# Altium PCB 10515.0500_Display_System（6拼版）_V1.0_20200907.PcbDoc (part 8 of 13) (continued)
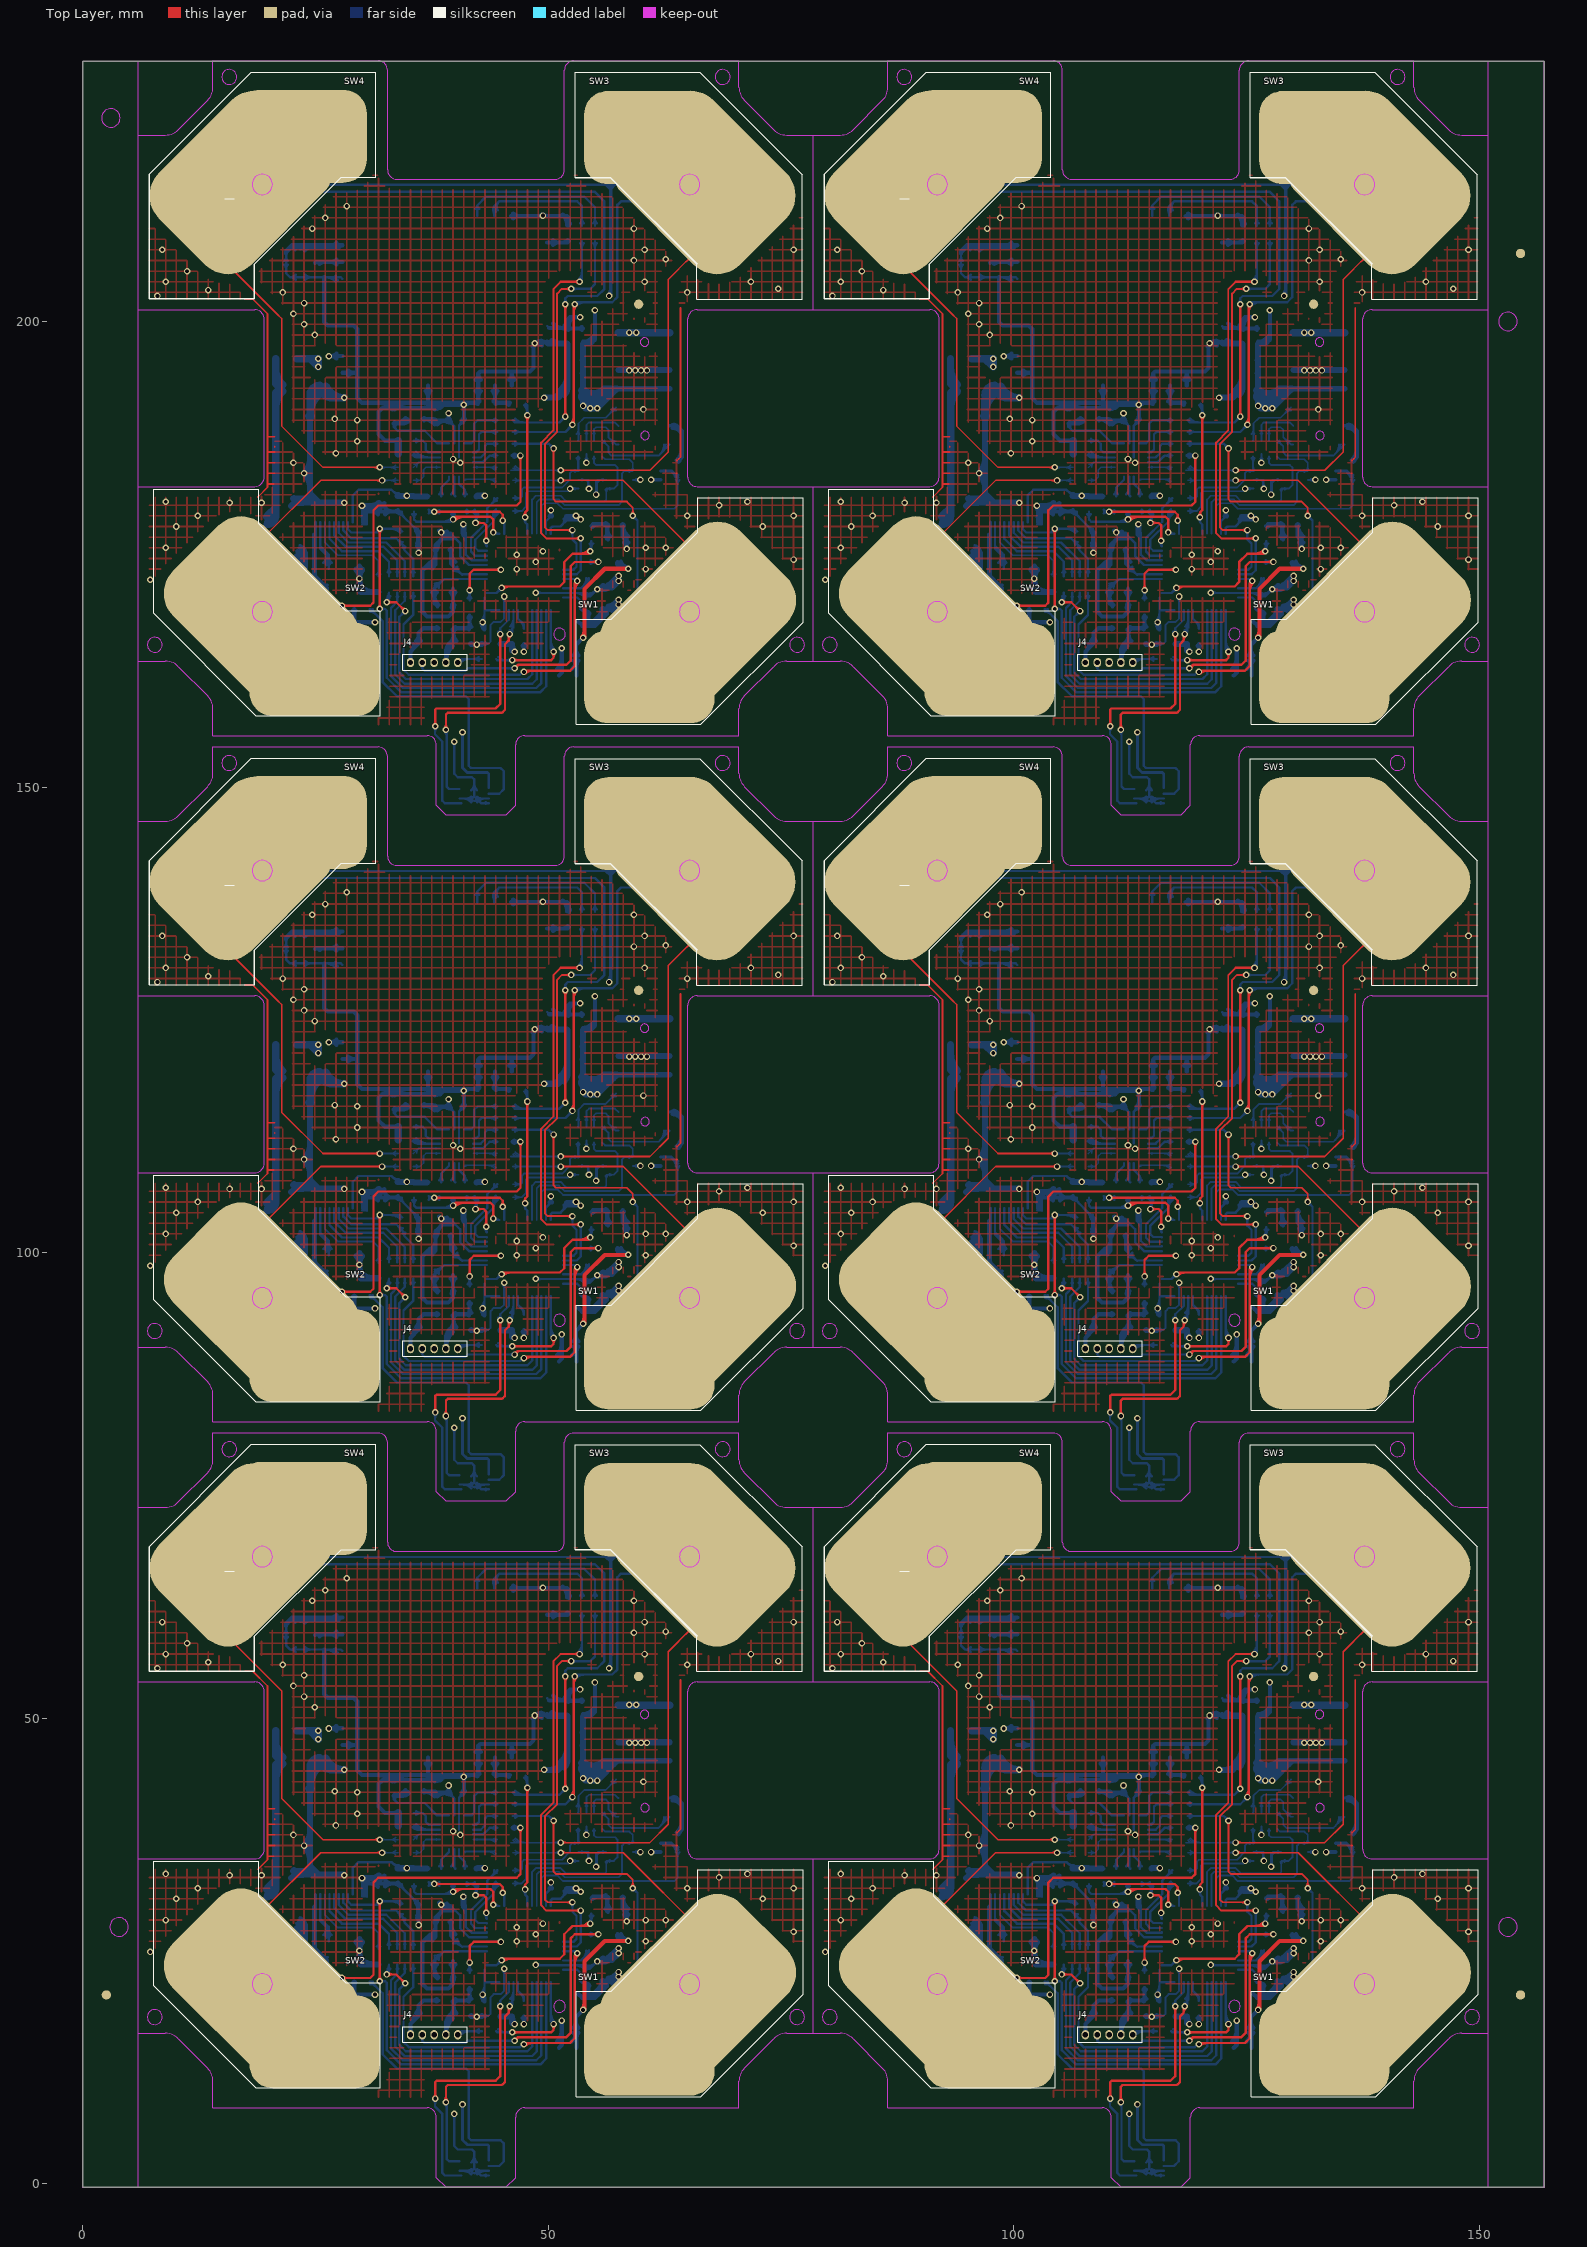
[diagram p0: Top Layer view]
## Nets (pads, with @x,y where several pads share a name; then routed paths per layer and width w, separated by ;. In a path a pad name is that pad's centre, name@x,y a point inside that pad or via, vN(x,y) a via of type N, cw(c..) or ccw(c..) an arc to the next point about the centre after c; other vN are vias at no path point) (continued)
ccw(c116.89,26.517) v1@117.274,26.133 ; 117.274,95.323 115.67,95.323 ; v1@117.274,99.514 ccw(c116.89,99.13) 116.89,99.673 ccw(c116.89,100.217) v1@117.274,99.833 ; 117.274,169.023 115.67,169.023 ; v1@117.274,173.214 ccw(c116.89,172.83) 116.89,173.373 ccw(c116.89,173.917) v1@117.274,173.533 ; v1(117.367,19.05) 117.367,19.686 118.274,20.593 118.274,21.623 ; v1(117.367,92.75) 117.367,93.386 118.274,94.293 118.274,95.323 ; v1(117.367,166.45) 117.367,167.086 118.274,167.993 118.274,169.023 ; v1@117.615,22.93 cw(c117.23,22.545) 117.774,22.545 cw(c118.317,22.545) v1@117.933,22.93 ; v1@117.615,96.63 cw(c117.23,96.245) 117.774,96.245 cw(c118.317,96.245) v1@117.933,96.63 ; v1@117.615,170.33 cw(c117.23,169.945) 117.774,169.945 cw(c118.317,169.945) v1@117.933,170.33 ; v1(117.621,31.242) 117.774,31.09 117.774,29.823 ; v1(117.621,104.942) 117.774,104.79 117.774,103.523 ; v1(117.621,178.642) 117.774,178.49 117.774,177.223 ; 117.774,21.623 v1(117.774,23.089) ; 117.774,95.323 v1(117.774,96.789) ; 117.774,169.023 v1(117.774,170.489) ; v1@118.256,19.05 118.637,19.431 ; v1@118.256,92.75 118.637,93.131 ; v1@118.256,166.45 118.637,166.831 ; v1@118.332,19.126 ccw(c118.13,19.329) 118.386,19.457 ; v1@118.332,92.826 ccw(c118.13,93.029) 118.386,93.157 ; v1@118.332,166.526 ccw(c118.13,166.729) 118.386,166.857 ; v1@118.344,19.272 ccw(c118.282,19.621) 118.637,19.621 ; v1@118.344,92.972 ccw(c118.282,93.321) 118.637,93.321 ; v1@118.344,166.672 ccw(c118.282,167.021) 118.637,167.021 ; 118.37,43.892 118.447,43.815 ; 118.37,117.592 118.447,117.515 ; 118.37,191.292 118.447,191.215 ; v1@118.388,19.025 ccw(c118.335,19.323) 118.637,19.323 ; v1@118.388,92.725 ccw(c118.335,93.023) 118.637,93.023 ; v1@118.388,166.425 ccw(c118.335,166.723) 118.637,166.723 ; v1@118.417,19.211 cw(c118.637,18.991) 118.637,19.302 ; v1@118.417,92.911 cw(c118.637,92.691) 118.637,93.002 ; v1@118.417,166.611 cw(c118.637,166.391) 118.637,166.702 ; 118.438,19.859 ccw(c117.629,20.668) 118.774,20.668 ; 118.438,93.559 ccw(c117.629,94.368) 118.774,94.368 ; 118.438,167.259 ccw(c117.629,168.068) 118.774,168.068 ; v1@118.478,16.097 ccw(c118.094,15.713) 118.094,16.256 ccw(c118.094,16.799) v1@118.478,16.415 ; v1@118.478,89.797 ccw(c118.094,89.413) 118.094,89.956 ccw(c118.094,90.499) v1@118.478,90.115 ; v1@118.478,163.497 ccw(c118.094,163.113) 118.094,163.656 ccw(c118.094,164.199) v1@118.478,163.815 ; v1@118.587,19.145 cw(c118.816,19.252) 118.637,19.431 ; v1@118.587,92.845 cw(c118.816,92.952) 118.637,93.131 ; v1@118.587,166.545 cw(c118.816,166.652) 118.637,166.831 ; 118.615,19.682 ccw(c118.232,20.065) 118.774,20.065 ; 118.615,93.382 ccw(c118.232,93.765) 118.774,93.765 ; 118.615,167.082 ccw(c118.232,167.465) 118.774,167.465 ; 118.701,39.497 122.574,39.497 v1(123.082,38.989) ; 118.701,40.767 124.352,40.767 v1(125.114,41.529) ; 118.701,42.014 118.932,41.783 123.717,41.783 v1(124.352,42.418) ; 118.701,113.197 122.574,113.197 v1(123.082,112.689) ; 118.701,114.467 124.352,114.467 v1(125.114,115.229) ; 118.701,115.714 118.932,115.483 123.717,115.483 v1(124.352,116.118) ; 118.701,186.897 122.574,186.897 v1(123.082,186.389) ; 118.701,188.167 124.352,188.167 v1(125.114,188.929) ; 118.701,189.414 118.932,189.183 123.717,189.183 v1(124.352,189.818) ; v1@118.732,15.208 ccw(c118.348,14.824) 118.348,15.367 ccw(c118.348,15.91) v1@118.732,15.526 ; v1@118.732,88.908 ccw(c118.348,88.524) 118.348,89.067 ccw(c118.348,89.61) v1@118.732,89.226 ; v1@118.732,162.608 ccw(c118.348,162.224) 118.348,162.767 ccw(c118.348,163.31) v1@118.732,162.926 ; 118.761,42.036 ccw(c119.372,42.647) 119.372,41.783 ; 118.761,115.736 ccw(c119.372,116.347) 119.372,115.483 ; 118.761,189.436 ccw(c119.372,190.047) 119.372,189.183 ; 118.774,21.623 118.774,19.758 118.637,19.621 ; 118.774,95.323 118.774,93.458 118.637,93.321 ; 118.774,169.023 118.774,167.158 118.637,167.021 ; v1(118.891,15.367) 113.869,15.367 113.626,15.124 109.228,15.124 108.985,15.367 ; v1(118.891,89.067) 113.869,89.067 113.626,88.824 109.228,88.824 108.985,89.067 ; v1(118.891,162.767) 113.869,162.767 113.626,162.524 109.228,162.524 108.985,162.767 ; 118.938,39.298 cw(c119.418,38.818) 119.418,39.497 cw(c119.418,40.176) 118.938,39.696 ; 118.938,40.568 cw(c119.418,40.088) 119.418,40.767 cw(c119.418,41.446) 118.938,40.966 ; 118.938,42.213 ccw(c119.976,43.251) 119.976,41.783 ; 118.938,112.998 cw(c119.418,112.518) 119.418,113.197 cw(c119.418,113.876) 118.938,113.396 ; 118.938,114.268 cw(c119.418,113.788) 119.418,114.467 cw(c119.418,115.146) 118.938,114.666 ; 118.938,115.913 ccw(c119.976,116.951) 119.976,115.483 ; 118.938,186.698 cw(c119.418,186.218) 119.418,186.897 cw(c119.418,187.576) 118.938,187.096 ; 118.938,187.968 cw(c119.418,187.488) 119.418,188.167 cw(c119.418,188.846) 118.938,188.366 ; 118.938,189.613 ccw(c119.976,190.651) 119.976,189.183 ; 119.272,21.625 119.272,20.701 119.907,20.066 119.907,19.621 ; 119.272,95.325 119.272,94.401 119.907,93.766 119.907,93.321 ; 119.272,169.025 119.272,168.101 119.907,167.466 119.907,167.021 ; 119.566,20.407 cw(c118.819,19.66) 119.876,19.66 ; 119.566,94.107 cw(c118.819,93.36) 119.876,93.36 ; 119.566,167.807 cw(c118.819,167.06) 119.876,167.06 ; v1@119.861,31.449 cw(c119.477,31.065) 120.02,31.065 ; v1@119.861,105.149 cw(c119.477,104.765) 120.02,104.765 ; v1@119.861,178.849 cw(c119.477,178.465) 120.02,178.465 ; 119.937,43.616 cw(c119.124,42.803) v1@120.274,42.803 ; 119.937,117.316 cw(c119.124,116.503) v1@120.274,116.503 ; 119.937,191.016 cw(c119.124,190.203) v1@120.274,190.203 ; v1(120.02,31.608) 120.02,31.065 ; v1(120.02,105.308) 120.02,104.765 ; v1(120.02,179.008) 120.02,178.465 ; 120.098,43.815 120.274,43.639 v1(120.274,42.545) ; 120.098,117.515 120.274,117.339 v1(120.274,116.245) ; 120.098,191.215 120.274,191.039 v1(120.274,189.945) ; 120.114,43.793 cw(c119.727,43.407) 120.274,43.407 ; 120.114,117.493 cw(c119.727,117.107) 120.274,117.107 ; 120.114,191.193 cw(c119.727,190.807) 120.274,190.807 ; v1@120.115,42.704 ccw(c119.73,43.088) 120.274,43.088 ccw(c120.817,43.088) v1@120.433,42.704 ; v1@120.115,116.404 ccw(c119.73,116.788) 120.274,116.788 ccw(c120.817,116.788) v1@120.433,116.404 ; v1@120.115,190.104 ccw(c119.73,190.488) 120.274,190.488 ccw(c120.817,190.488) v1@120.433,190.104 ; v1@120.179,31.449 ccw(c120.563,31.065) 120.02,31.065 ; v1@120.179,105.149 ccw(c120.563,104.765) 120.02,104.765 ; v1@120.179,178.849 ccw(c120.563,178.465) 120.02,178.465 ; 120.274,29.823 120.274,30.811 120.02,31.065 ; 120.274,103.523 120.274,104.511 120.02,104.765 ; 120.274,177.223 120.274,178.211 120.02,178.465 ; v1@121.199,23.473 124.124,23.473 126.43,23.473 126.815,23.089 126.994,23.089 v1(127.781,23.876) ; v1@121.199,97.173 124.124,97.173 126.43,97.173 126.815,96.789 126.994,96.789 v1(127.781,97.576) ; v1@121.199,170.873 124.124,170.873 126.43,170.873 126.815,170.489 126.994,170.489 v1(127.781,171.276) ; v1@121.336,23.336 cw(c121.668,23.004) 121.668,23.473 ; v1@121.336,23.654 ccw(c121.773,24.09) 121.773,23.473 ; v1@121.336,97.036 cw(c121.668,96.704) 121.668,97.173 ; v1@121.336,97.354 ccw(c121.773,97.79) 121.773,97.173 ; v1@121.336,170.736 cw(c121.668,170.404) 121.668,170.873 ; v1@121.336,171.054 ccw(c121.773,171.49) 121.773,170.873 ; 122.274,29.823 122.274,31.171 122.803,31.7 ; 122.274,103.523 122.274,104.871 122.803,105.4 ; 122.274,177.223 122.274,178.571 122.803,179.1 ; 122.398,52.15 122.63,51.918 ; 122.398,125.85 122.63,125.618 ; 122.398,199.55 122.63,199.318 ; 122.774,17.83 ccw(c123.767,17.83) v1@123.065,17.127 ; 122.774,18.433 ccw(c124.371,18.433) v1@123.241,17.304 ; 122.774,21.623 122.774,17.454 v1(123.082,17.145) ; 122.774,29.823 122.774,30.425 122.955,30.607 123.844,30.607 124.454,31.217 124.454,31.7 ; 122.774,91.53 ccw(c123.767,91.53) v1@123.065,90.827 ; 122.774,92.133 ccw(c124.371,92.133) v1@123.241,91.004 ; 122.774,95.323 122.774,91.154 v1(123.082,90.845) ; 122.774,103.523 122.774,104.125 122.955,104.307 123.844,104.307 124.454,104.917 124.454,105.4 ; 122.774,165.23 ccw(c123.767,165.23) v1@123.065,164.527 ; 122.774,165.833 ccw(c124.371,165.833) v1@123.241,164.704 ; 122.774,169.023 122.774,164.854 v1(123.082,164.545) ; 122.774,177.223 122.774,177.825 122.955,178.007 123.844,178.007 124.454,178.617 124.454,179.1 ; 122.791,30.456 cw(c123.157,30.091) 123.157,30.607 ; 122.791,104.156 cw(c123.157,103.791) 123.157,104.307 ; 122.791,177.856 cw(c123.157,177.491) 123.157,178.007 ; v1@122.857,38.989 ccw(c122.314,38.989) 122.698,39.373 ccw(c123.082,39.757) v1@123.082,39.214 ; v1@122.857,112.689 ccw(c122.314,112.689) 122.698,113.073 ccw(c123.082,113.457) v1@123.082,112.914 ; v1@122.857,186.389 ccw(c122.314,186.389) 122.698,186.773 ccw(c123.082,187.157) v1@123.082,186.614 ; 124.042,30.804 ccw(c123.63,31.216) 124.16,31.456 ; 124.042,104.504 ccw(c123.63,104.916) 124.16,105.156 ; 124.042,178.204 ccw(c123.63,178.616) 124.16,178.856 ; 124.124,23.973 126.037,23.973 126.892,24.828 126.892,25.082 ; 124.124,24.973 125.414,24.973 v1(125.622,24.765) ; 124.124,25.473 125.569,25.473 126.003,25.908 v1(126.003,29.337) v1@126.003,29.464 ; 124.124,25.973 125.238,25.973 125.553,26.289 125.553,28.771 125.114,29.21 v1(125.114,30.226) ; 124.124,97.673 126.037,97.673 126.892,98.528 126.892,98.782 ; 124.124,98.673 125.414,98.673 v1(125.622,98.465) ; 124.124,99.173 125.569,99.173 126.003,99.608 v1(126.003,103.037) v1@126.003,103.164 ; 124.124,99.673 125.238,99.673 125.553,99.989 125.553,102.471 125.114,102.91 v1(125.114,103.926) ; 124.124,171.373 126.037,171.373 126.892,172.228 126.892,172.482 ; 124.124,172.373 125.414,172.373 v1(125.622,172.165) ; 124.124,172.873 125.569,172.873 126.003,173.308 v1(126.003,176.737) v1@126.003,176.864 ; 124.124,173.373 125.238,173.373 125.553,173.689 125.553,176.171 125.114,176.61 v1(125.114,177.626) ; v1@124.127,42.418 cw(c123.584,42.418) 123.968,42.034 cw(c124.352,41.65) v1@124.352,42.193 ; v1@124.127,116.118 cw(c123.584,116.118) 123.968,115.734 cw(c124.352,115.35) v1@124.352,115.893 ; v1@124.127,189.818 cw(c123.584,189.818) 123.968,189.434 cw(c124.352,189.05) v1@124.352,189.593 ; v1@124.193,54.642 ccw(c123.809,55.026) 124.352,55.026 ccw(c124.895,55.026) v1@124.511,54.642 ; v1@124.193,128.342 ccw(c123.809,128.726) 124.352,128.726 ccw(c124.895,128.726) v1@124.511,128.342 ; v1@124.193,202.042 ccw(c123.809,202.426) 124.352,202.426 ccw(c124.895,202.426) v1@124.511,202.042 ; 124.297,31.059 ccw(c123.981,31.375) 124.387,31.56 ; 124.297,104.759 ccw(c123.981,105.075) 124.387,105.26 ; 124.297,178.459 ccw(c123.981,178.775) 124.387,178.96 ; 124.516,31.552 cw(c124.948,31.178) 124.948,31.75 ; 124.516,105.252 cw(c124.948,104.878) 124.948,105.45 ; 124.516,178.952 cw(c124.948,178.578) 124.948,179.15 ; 124.529,51.918 126.219,51.918 126.257,51.879 ; 124.529,125.618 126.219,125.618 126.257,125.579 ; 124.529,199.318 126.219,199.318 126.257,199.279 ; 124.705,31.389 cw(c125.495,30.704) v1(125.495,31.75) 124.733,31.75 ; 124.705,105.089 cw(c125.495,104.404) v1(125.495,105.45) 124.733,105.45 ; 124.705,178.789 cw(c125.495,178.104) v1(125.495,179.15) 124.733,179.15 ; 124.728,51.719 cw(c125.209,51.238) 125.209,51.918 cw(c125.209,52.597) 124.728,52.117 ; 124.728,125.419 cw(c125.209,124.938) 125.209,125.618 cw(c125.209,126.297) 124.728,125.817 ; 124.728,199.119 cw(c125.209,198.638) 125.209,199.318 cw(c125.209,199.997) 124.728,199.517 ; 124.747,22.973 124.124,22.973 125.636,22.973 125.876,22.733 125.876,21.844 126.13,21.59 ; 124.747,96.673 124.124,96.673 125.636,96.673 125.876,96.433 125.876,95.544 126.13,95.29 ; 124.747,170.373 124.124,170.373 125.636,170.373 125.876,170.133 125.876,169.244 126.13,168.99 ; v1@124.889,41.529 cw(c124.346,41.529) 124.73,41.145 cw(c125.114,40.761) v1@125.114,41.304 ; v1@124.889,115.229 cw(c124.346,115.229) 124.73,114.845 cw(c125.114,114.461) v1@125.114,115.004 ; v1@124.889,188.929 cw(c124.346,188.929) 124.73,188.545 cw(c125.114,188.161) v1@125.114,188.704 ; v1@124.955,30.067 cw(c124.571,29.683) 125.114,29.683 cw(c125.657,29.683) v1@125.273,30.067 ; v1@124.955,103.767 cw(c124.571,103.383) 125.114,103.383 cw(c125.657,103.383) v1@125.273,103.767 ; v1@124.955,177.467 cw(c124.571,177.083) 125.114,177.083 cw(c125.657,177.083) v1@125.273,177.467 ; v1(124.987,56.134) 127.019,56.134 127.527,56.642 127.527,61.277 ; v1(124.987,129.834) 127.019,129.834 127.527,130.342 127.527,134.977 ; v1(124.987,203.534) 127.019,203.534 127.527,204.042 127.527,208.677 ; v1@125.146,55.975 cw(c125.53,55.591) 125.53,56.134 cw(c125.53,56.677) v1@125.146,56.293 ; v1@125.146,129.675 cw(c125.53,129.291) 125.53,129.834 cw(c125.53,130.377) v1@125.146,129.993 ; v1@125.146,203.375 cw(c125.53,202.991) 125.53,203.534 cw(c125.53,204.077) v1@125.146,203.693 ; 125.299,23.473 cw(c125.299,21.61) 126.616,22.928 ; 125.299,97.173 cw(c125.299,95.31) 126.616,96.628 ; 125.299,170.873 cw(c125.299,169.01) 126.616,170.328 ; v1@125.336,31.591 ccw(c124.952,31.207) 124.952,31.75 ccw(c124.952,32.293) v1@125.336,31.909 ; v1@125.336,105.291 ccw(c124.952,104.907) 124.952,105.45 ccw(c124.952,105.993) v1@125.336,105.609 ; v1@125.336,178.991 ccw(c124.952,178.607) 124.952,179.15 ccw(c124.952,179.693) v1@125.336,179.309 ; v1@125.351,54.501 cw(c125.825,54.027) 125.825,54.697 ; v1@125.351,128.201 cw(c125.825,127.727) 125.825,128.397 ; v1@125.351,201.901 cw(c125.825,201.427) 125.825,202.097 ; v1(125.368,54.483) 125.582,54.697 129.392,54.697 129.94,55.245 129.94,65.151 130.321,65.532 138.83,65.532 139.465,66.167 ; v1(125.368,128.183) 125.582,128.397 129.392,128.397 129.94,128.945 129.94,138.851 130.321,139.232 138.83,139.232 139.465,139.867 ; v1(125.368,201.883) 125.582,202.097 129.392,202.097 129.94,202.645 129.94,212.551 130.321,212.932 138.83,212.932 139.465,213.567 ; v1@125.527,54.324 cw(c126.428,53.423) 126.428,54.697 ; v1@125.527,128.024 cw(c126.428,127.123) 126.428,128.397 ; v1@125.527,201.724 cw(c126.428,200.823) 126.428,202.097 ; 125.56,37.969 cw(c125.176,37.585) 125.719,37.585 cw(c126.262,37.585) 125.878,37.969 ; 125.56,111.669 cw(c125.176,111.285) 125.719,111.285 cw(c126.262,111.285) 125.878,111.669 ; 125.56,185.369 cw(c125.176,184.985) 125.719,184.985 cw(c126.262,184.985) 125.878,185.369 ; v1@125.717,57.055 ccw(c124.72,58.052) 126.13,58.052 ; v1@125.717,130.755 ccw(c124.72,131.752) 126.13,131.752 ; v1@125.717,204.455 ccw(c124.72,205.452) 126.13,205.452 ; 125.719,36.945 ccw(c126.123,36.945) 125.838,36.659 ; 125.719,38.124 125.719,36.601 125.749,36.571 ; 125.719,110.645 ccw(c126.123,110.645) 125.838,110.359 ; 125.719,111.824 125.719,110.301 125.749,110.271 ; 125.719,184.345 ccw(c126.123,184.345) 125.838,184.059 ; 125.719,185.524 125.719,184.001 125.749,183.971 ; v1@125.844,29.178 cw(c125.46,28.794) 126.003,28.794 cw(c126.546,28.794) v1@126.162,29.178 ; v1@125.844,102.878 cw(c125.46,102.494) 126.003,102.494 cw(c126.546,102.494) v1@126.162,102.878 ; v1@125.844,176.578 cw(c125.46,176.194) 126.003,176.194 cw(c126.546,176.194) v1@126.162,176.578 ; v1(125.876,56.896) 126.13,57.15 126.13,61.277 ; v1(125.876,130.596) 126.13,130.85 126.13,134.977 ; v1(125.876,204.296) 126.13,204.55 126.13,208.677 ; v1@125.894,56.878 ccw(c125.323,57.449) 126.13,57.449 ; v1@125.894,130.578 ccw(c125.323,131.149) 126.13,131.149 ; v1@125.894,204.278 ccw(c125.323,204.849) 126.13,204.849 ; 125.902,23.473 cw(c125.902,22.214) 126.793,23.104 ; 125.902,97.173 cw(c125.902,95.914) 126.793,96.804 ; 125.902,170.873 cw(c125.902,169.614) 126.793,170.504 ; 125.931,61.04 cw(c125.451,60.56) 126.13,60.56 cw(c126.81,60.56) 126.329,61.04 ; 125.931,63.166 ccw(c125.451,63.646) 126.13,63.646 ccw(c126.81,63.646) 126.329,63.166 ; 125.931,134.74 cw(c125.451,134.26) 126.13,134.26 cw(c126.81,134.26) 126.329,134.74 ; 125.931,136.866 ccw(c125.451,137.346) 126.13,137.346 ccw(c126.81,137.346) 126.329,136.866 ; 125.931,208.44 cw(c125.451,207.96) 126.13,207.96 cw(c126.81,207.96) 126.329,208.44 ; 125.931,210.566 ccw(c125.451,211.046) 126.13,211.046 ccw(c126.81,211.046) 126.329,210.566 ; 126.058,51.719 ccw(c125.578,51.238) 125.578,51.918 ccw(c125.578,52.597) 126.058,52.117 ; 126.058,125.419 ccw(c125.578,124.938) 125.578,125.618 ccw(c125.578,126.297) 126.058,125.817 ; 126.058,199.119 ccw(c125.578,198.638) 125.578,199.318 ccw(c125.578,199.997) 126.058,199.517 ; 126.13,62.928 126.13,65.024 125.622,65.532 117.24,65.532 ; 126.13,136.628 126.13,138.724 125.622,139.232 117.24,139.232 ; 126.13,210.328 126.13,212.424 125.622,212.932 117.24,212.932 ; 126.232,46.94 126.247,46.925 ; 126.232,48.591 126.257,48.616 ; 126.232,120.64 126.247,120.625 ; 126.232,122.291 126.257,122.316 ; 126.232,194.34 126.247,194.325 ; 126.232,195.991 126.257,196.016 ; 126.247,44.841 126.247,45.085 ; 126.247,118.541 126.247,118.785 ; 126.247,192.241 126.247,192.485 ; 126.259,24.195 ccw(c125.41,25.044) 126.611,25.044 ; 126.259,97.895 ccw(c125.41,98.744) 126.611,98.744 ; 126.259,171.595 ccw(c125.41,172.444) 126.611,172.444 ; 126.412,21.59 ccw(c126.412,21.879) 126.616,21.675 ; 126.412,95.29 ccw(c126.412,95.579) 126.616,95.375 ; 126.412,168.99 ccw(c126.412,169.279) 126.616,169.075 ; 126.506,23.473 cw(c126.506,22.817) 126.97,23.281 ; 126.506,97.173 cw(c126.506,96.517) 126.97,96.981 ; 126.506,170.873 cw(c126.506,170.217) 126.97,170.681 ; 126.572,21.335 ccw(c126.13,21.081) 126.13,21.59 ; 126.572,95.035 ccw(c126.13,94.781) 126.13,95.29 ; 126.572,168.735 ccw(c126.13,168.481) 126.13,168.99 ; 126.638,21.59 126.13,21.59 ; 126.638,95.29 126.13,95.29 ; 126.638,168.99 126.13,168.99 ; 126.686,24.622 ccw(c126.264,25.044) 126.861,25.044 ; 126.686,98.322 ccw(c126.264,98.744) 126.861,98.744 ; 126.686,172.022 ccw(c126.264,172.444) 126.861,172.444 ; 126.815,23.158 ccw(c126.815,23.757) 127.239,23.334 ; 126.815,23.408 ccw(c126.815,24.611) v1@127.666,23.76 ; 126.815,96.858 ccw(c126.815,97.457) 127.239,97.034 ; 126.815,97.108 ccw(c126.815,98.311) v1@127.666,97.46 ; 126.815,170.558 ccw(c126.815,171.157) 127.239,170.734 ; 126.815,170.808 ccw(c126.815,172.011) v1@127.666,171.16 ; v1@126.86,28.099 ccw(c126.169,28.79) 127.146,28.79 ; v1@126.86,101.799 ccw(c126.169,102.49) 127.146,102.49 ; v1@126.86,175.499 ccw(c126.169,176.19) 127.146,176.19 ; 126.892,26.733 126.956,26.797 v1(127.908,26.797) ; 126.892,100.433 126.956,100.497 v1(127.908,100.497) ; 126.892,174.133 126.956,174.197 v1(127.908,174.197) ; 126.947,28.782 cw(c126.467,28.302) 127.146,28.302 cw(c127.826,28.302) 127.345,28.782 ; 126.947,102.482 cw(c126.467,102.002) 127.146,102.002 cw(c127.826,102.002) 127.345,102.482 ; 126.947,176.182 cw(c126.467,175.702) 127.146,175.702 cw(c127.826,175.702) 127.345,176.182 ; v1(127.019,27.94) 127.146,28.067 127.146,29.019 ; v1(127.019,101.64) 127.146,101.767 127.146,102.719 ; v1(127.019,175.34) 127.146,175.467 127.146,176.419 ; 127.091,26.573 cw(c127.633,26.031) v1@127.633,26.797 ; 127.091,26.971 ccw(c127.51,27.39) 127.51,26.797 ; 127.091,100.273 cw(c127.633,99.731) v1@127.633,100.497 ; 127.091,100.671 ccw(c127.51,101.09) 127.51,100.497 ; 127.091,173.973 cw(c127.633,173.431) v1@127.633,174.197 ; 127.091,174.371 ccw(c127.51,174.79) 127.51,174.197 ; 127.328,61.04 cw(c126.848,60.56) 127.527,60.56 cw(c128.207,60.56) 127.726,61.04 ; 127.328,63.166 ccw(c126.848,63.646) 127.527,63.646 ccw(c128.207,63.646) 127.726,63.166 ; 127.328,134.74 cw(c126.848,134.26) 127.527,134.26 cw(c128.207,134.26) 127.726,134.74 ; 127.328,136.866 ccw(c126.848,137.346) 127.527,137.346 ccw(c128.207,137.346) 127.726,136.866 ; 127.328,208.44 cw(c126.848,207.96) 127.527,207.96 cw(c128.207,207.96) 127.726,208.44 ; 127.328,210.566 ccw(c126.848,211.046) 127.527,211.046 ccw(c128.207,211.046) 127.726,210.566 ; 127.527,62.928 127.527,64.897 126.384,66.04 115.843,66.04 114.898,65.095 ; 127.527,136.628 127.527,138.597 126.384,139.74 115.843,139.74 114.898,138.795 ; 127.527,210.328 127.527,212.297 126.384,213.44 115.843,213.44 114.898,212.495 ; v1@127.556,23.876 cw(c127.013,23.876) 127.397,23.492 cw(c127.781,23.108) v1@127.781,23.651 ; v1@127.556,97.576 cw(c127.013,97.576) 127.397,97.192 cw(c127.781,96.808) v1@127.781,97.351 ; v1@127.556,171.276 cw(c127.013,171.276) 127.397,170.892 cw(c127.781,170.508) v1@127.781,171.051 ; v1@127.749,26.638 ccw(c127.365,26.254) 127.365,26.797 ccw(c127.365,27.34) v1@127.749,26.956 ; v1@127.749,100.338 ccw(c127.365,99.954) 127.365,100.497 ccw(c127.365,101.04) v1@127.749,100.656 ; v1@127.749,174.038 ccw(c127.365,173.654) 127.365,174.197 ccw(c127.365,174.74) v1@127.749,174.356 ; 128.924,67.31 129.305,66.929 ; 128.924,141.01 129.305,140.629 ; 128.924,214.71 129.305,214.329 ; v1(129.051,55.372) 129.305,55.626 129.305,66.929 ; v1(129.051,129.072) 129.305,129.326 129.305,140.629 ; v1(129.051,202.772) 129.305,203.026 129.305,214.329 ; v1@129.069,55.354 ccw(c128.498,55.925) 129.305,55.925 ; v1@129.069,129.054 ccw(c128.498,129.625) 129.305,129.625 ; v1@129.069,202.754 ccw(c128.498,203.325) 129.305,203.325 ; 129.128,21.91 ccw(c129.594,22.375) 129.594,21.717 ; 129.128,95.61 ccw(c129.594,96.075) 129.594,95.417 ; 129.128,169.31 ccw(c129.594,169.775) 129.594,169.117 ; 129.143,21.607 cw(c129.916,20.966) v1@129.916,21.971 ; 129.143,95.307 cw(c129.916,94.666) v1@129.916,95.671 ; 129.143,169.007 cw(c129.916,168.366) v1@129.916,169.371 ; 129.147,21.613 cw(c129.748,21.148) 129.748,21.907 ; 129.147,95.313 cw(c129.748,94.848) 129.748,95.607 ; 129.147,169.013 cw(c129.748,168.548) 129.748,169.307 ; v1@129.178,55.372 129.178,66.929 ; 129.178,56.222 cw(c128.201,56.222) 128.892,55.531 ccw(c127.895,56.528) 129.305,56.528 ; 129.178,66.802 128.67,67.31 ; v1@129.178,129.072 129.178,140.629 ; 129.178,129.922 cw(c128.201,129.922) 128.892,129.231 ccw(c127.895,130.228) 129.305,130.228 ; 129.178,140.502 128.67,141.01 ; v1@129.178,202.772 129.178,214.329 ; 129.178,203.622 cw(c128.201,203.622) 128.892,202.931 ccw(c127.895,203.928) 129.305,203.928 ; 129.178,214.202 128.67,214.71 ; 129.305,21.415 cw(c130.035,20.685) 130.035,21.717 ; 129.305,95.115 cw(c130.035,94.385) 130.035,95.417 ; 129.305,168.815 cw(c130.035,168.085) 130.035,169.117 ; 129.335,21.448 cw(c130.448,20.526) 130.448,21.971 ; 129.335,95.148 cw(c130.448,94.226) 130.448,95.671 ; 129.335,168.848 cw(c130.448,167.926) 130.448,169.371 ; 129.345,21.46 cw(c130.258,20.753) 130.258,21.907 ; 129.345,95.16 cw(c130.258,94.453) 130.258,95.607 ; 129.345,168.86 cw(c130.258,168.153) 130.258,169.307 ; 129.373,21.717 130.448,21.717 ; 129.373,95.417 130.448,95.417 ; 129.373,169.117 130.448,169.117 ; 129.584,21.971 cw(c129.584,22.366) 129.305,22.087 ; 129.584,95.671 cw(c129.584,96.066) 129.305,95.787 ; 129.584,169.371 cw(c129.584,169.766) 129.305,169.487 ; 129.608,21.971 130.448,21.971 ; 129.608,95.671 130.448,95.671 ; 129.608,169.371 130.448,169.371 ; 129.686,67.31 129.305,66.929 ; 129.686,141.01 129.305,140.629 ; 129.686,214.71 129.305,214.329 ; 129.737,21.907 cw(c129.737,22.519) 129.305,22.087 ; 129.737,95.607 cw(c129.737,96.219) 129.305,95.787 ; 129.737,169.307 cw(c129.737,169.919) 129.305,169.487 ; 129.759,21.907 ccw(c129.759,22.241) v1@130.092,22.224 ; 129.759,95.607 ccw(c129.759,95.941) v1@130.092,95.924 ; 129.759,169.307 ccw(c129.759,169.641) v1@130.092,169.624 ; v1@129.843,22.237 cw(c129.496,22.255) 129.496,21.907 130.258,21.907 ; v1@129.843,95.937 cw(c129.496,95.955) 129.496,95.607 130.258,95.607 ; v1@129.843,169.637 cw(c129.496,169.655) 129.496,169.307 130.258,169.307 ; v1@129.959,22.536 cw(c129.857,22.352) v1@130.067,22.352 ; v1@129.959,96.236 cw(c129.857,96.052) v1@130.067,96.052 ; v1@129.959,169.936 cw(c129.857,169.752) v1@130.067,169.752 ; v1@130.044,22.743 ccw(c130.414,22.578) v1@130.128,22.291 ; v1@130.044,96.443 ccw(c130.414,96.278) v1@130.128,95.991 ; v1@130.044,170.143 ccw(c130.414,169.978) v1@130.128,169.691 ; v1@130.068,22.25 cw(c130.05,21.852) 130.448,21.852 ; v1@130.068,95.95 cw(c130.05,95.552) 130.448,95.552 ; v1@130.068,169.65 cw(c130.05,169.252) 130.448,169.252 ; v1@130.128,22.008 cw(c130.234,21.629) 130.512,21.908 ; v1@130.128,95.708 cw(c130.234,95.329) 130.512,95.608 ; v1@130.128,169.408 cw(c130.234,169.029) 130.512,169.308 ; v1@130.176,22.536 ccw(c130.277,22.352) v1@130.067,22.352 ; v1@130.176,96.236 ccw(c130.277,96.052) v1@130.067,96.052 ; v1@130.176,169.936 ccw(c130.277,169.752) v1@130.067,169.752 ; 130.197,21.717 cw(c130.197,22.979) 129.305,22.087 ; 130.197,95.417 cw(c130.197,96.679) 129.305,95.787 ; 130.197,169.117 cw(c130.197,170.379) 129.305,169.487 ; v1@130.273,22.641 ccw(c130.77,22.419) 130.385,22.035 ; v1@130.273,96.341 ccw(c130.77,96.119) 130.385,95.735 ; v1@130.273,170.041 ccw(c130.77,169.819) 130.385,169.435 ; v1@130.292,22.225 ccw(c131.142,22.225) 130.541,21.624 ; v1@130.292,95.925 ccw(c131.142,95.925) 130.541,95.324 ; v1@130.292,169.625 ccw(c131.142,169.625) 130.541,169.024 ; v1@131.591,31.525 cw(c131.591,30.982) 131.975,31.366 cw(c132.359,31.75) v1@131.816,31.75 ; v1(131.591,31.75) 132.099,31.242 132.099,23.876 132.353,23.622 139.084,23.622 139.465,23.241 139.465,21.59 ; v1@131.591,105.225 cw(c131.591,104.682) 131.975,105.066 cw(c132.359,105.45) v1@131.816,105.45 ; v1(131.591,105.45) 132.099,104.942 132.099,97.576 132.353,97.322 139.084,97.322 139.465,96.941 139.465,95.29 ; v1@131.591,178.925 cw(c131.591,178.382) 131.975,178.766 cw(c132.359,179.15) v1@131.816,179.15 ; v1(131.591,179.15) 132.099,178.642 132.099,171.276 132.353,171.022 139.084,171.022 139.465,170.641 139.465,168.99 ; 135.549,21.102 ccw(c134.678,20.232) 134.678,21.463 ccw(c134.678,22.694) 135.549,21.824 ; 135.549,66.949 ccw(c134.678,66.079) 134.678,67.31 ccw(c134.678,68.541) 135.549,67.671 ; 135.549,94.802 ccw(c134.678,93.932) 134.678,95.163 ccw(c134.678,96.394) 135.549,95.524 ; 135.549,140.649 ccw(c134.678,139.779) 134.678,141.01 ccw(c134.678,142.241) 135.549,141.371 ; 135.549,168.502 ccw(c134.678,167.632) 134.678,168.863 ccw(c134.678,170.094) 135.549,169.224 ; 135.549,214.349 ccw(c134.678,213.479) 134.678,214.71 ccw(c134.678,215.941) 135.549,215.071 ; 135.782,21.463 131.083,21.463 ; 135.782,95.163 131.083,95.163 ; 135.782,168.863 131.083,168.863 ; 135.909,67.31 129.305,67.31 ; 135.909,141.01 129.305,141.01 ; 135.909,214.71 129.305,214.71 ; 139.105,21.951 ccw(c138.234,22.821) 139.465,22.821 ccw(c140.697,22.821) 139.826,21.951 ; 139.105,95.651 ccw(c138.234,96.521) 139.465,96.521 ccw(c140.697,96.521) 139.826,95.651 ; 139.105,169.351 ccw(c138.234,170.221) 139.465,170.221 ccw(c140.697,170.221) 139.826,169.351 ; 139.161,66.774 cw(c138.708,66.167) 139.465,66.167 ; 139.161,140.474 cw(c138.708,139.867) 139.465,139.867 ; 139.161,214.174 cw(c138.708,213.567) 139.465,213.567 ; 139.465,67.31 139.465,66.167 ; 139.465,141.01 139.465,139.867 ; 139.465,214.71 139.465,213.567 ; 139.77,66.774 ccw(c140.222,66.167) 139.465,66.167 ; 139.77,140.474 ccw(c140.222,139.867) 139.465,139.867 ; 139.77,214.174 ccw(c140.222,213.567) 139.465,213.567 ; 22.134,68.834 23.658,67.31 56.17,67.31 ; 22.134,142.534 23.658,141.01 56.17,141.01 ; 22.134,216.234 23.658,214.71 56.17,214.71 ; 25.508,28.503 26.198,27.813 ; 25.508,102.203 26.198,101.513 ; 25.508,175.903 26.198,175.213 ; 26.198,27.813 26.452,27.559 ; 26.198,101.513 26.452,101.259 ; 26.198,175.213 26.452,174.959 ; 30.008,31.076 30.174,31.076 ; 30.008,31.076 30.301,31.076 30.516,30.861 ; 30.008,104.776 30.174,104.776 ; 30.008,104.776 30.301,104.776 30.516,104.561 ; 30.008,178.476 30.174,178.476 ; 30.008,178.476 30.301,178.476 30.516,178.261 ; 30.174,31.076 30.174,32.484 30.262,32.572 ; 30.174,104.776 30.174,106.184 30.262,106.272 ; 30.174,178.476 30.174,179.884 30.262,179.972 ; 30.262,32.258 30.262,32.572 ; 30.262,32.258 30.262,31.115 30.516,30.861 ; 30.262,105.958 30.262,106.272 ; 30.262,105.958 30.262,104.815 30.516,104.561 ; 30.262,179.658 30.262,179.972 ; 30.262,179.658 30.262,178.515 30.516,178.261 ; 31.532,29.972 31.913,29.972 ; 31.532,103.672 31.913,103.672 ; 31.532,177.372 31.913,177.372 ; 37.247,32.194 v1@37.882,32.194 ; 37.247,105.894 v1@37.882,105.894 ; 37.247,179.594 v1@37.882,179.594 ; 42.053,1.631 42.287,1.397 ; 42.053,75.331 42.287,75.097 ; 42.053,149.031 42.287,148.797 ; 46.137,19.431 46.137,19.621 ; 46.137,93.131 46.137,93.321 ; 46.137,166.831 46.137,167.021 ; 56.17,67.31 56.805,67.31 ; 56.17,141.01 56.805,141.01 ; 56.17,214.71 56.805,214.71 ; 56.805,66.929 56.805,67.31 ; 56.805,140.629 56.805,141.01 ; 56.805,214.329 56.805,214.71 ; v1@57.567,22.352 58.075,21.844 ; v1@57.567,96.052 58.075,95.544 ; v1@57.567,169.752 58.075,169.244